# Altium PCB BeagleNode_revA.PcbDoc (part 1 of 2) (continued)
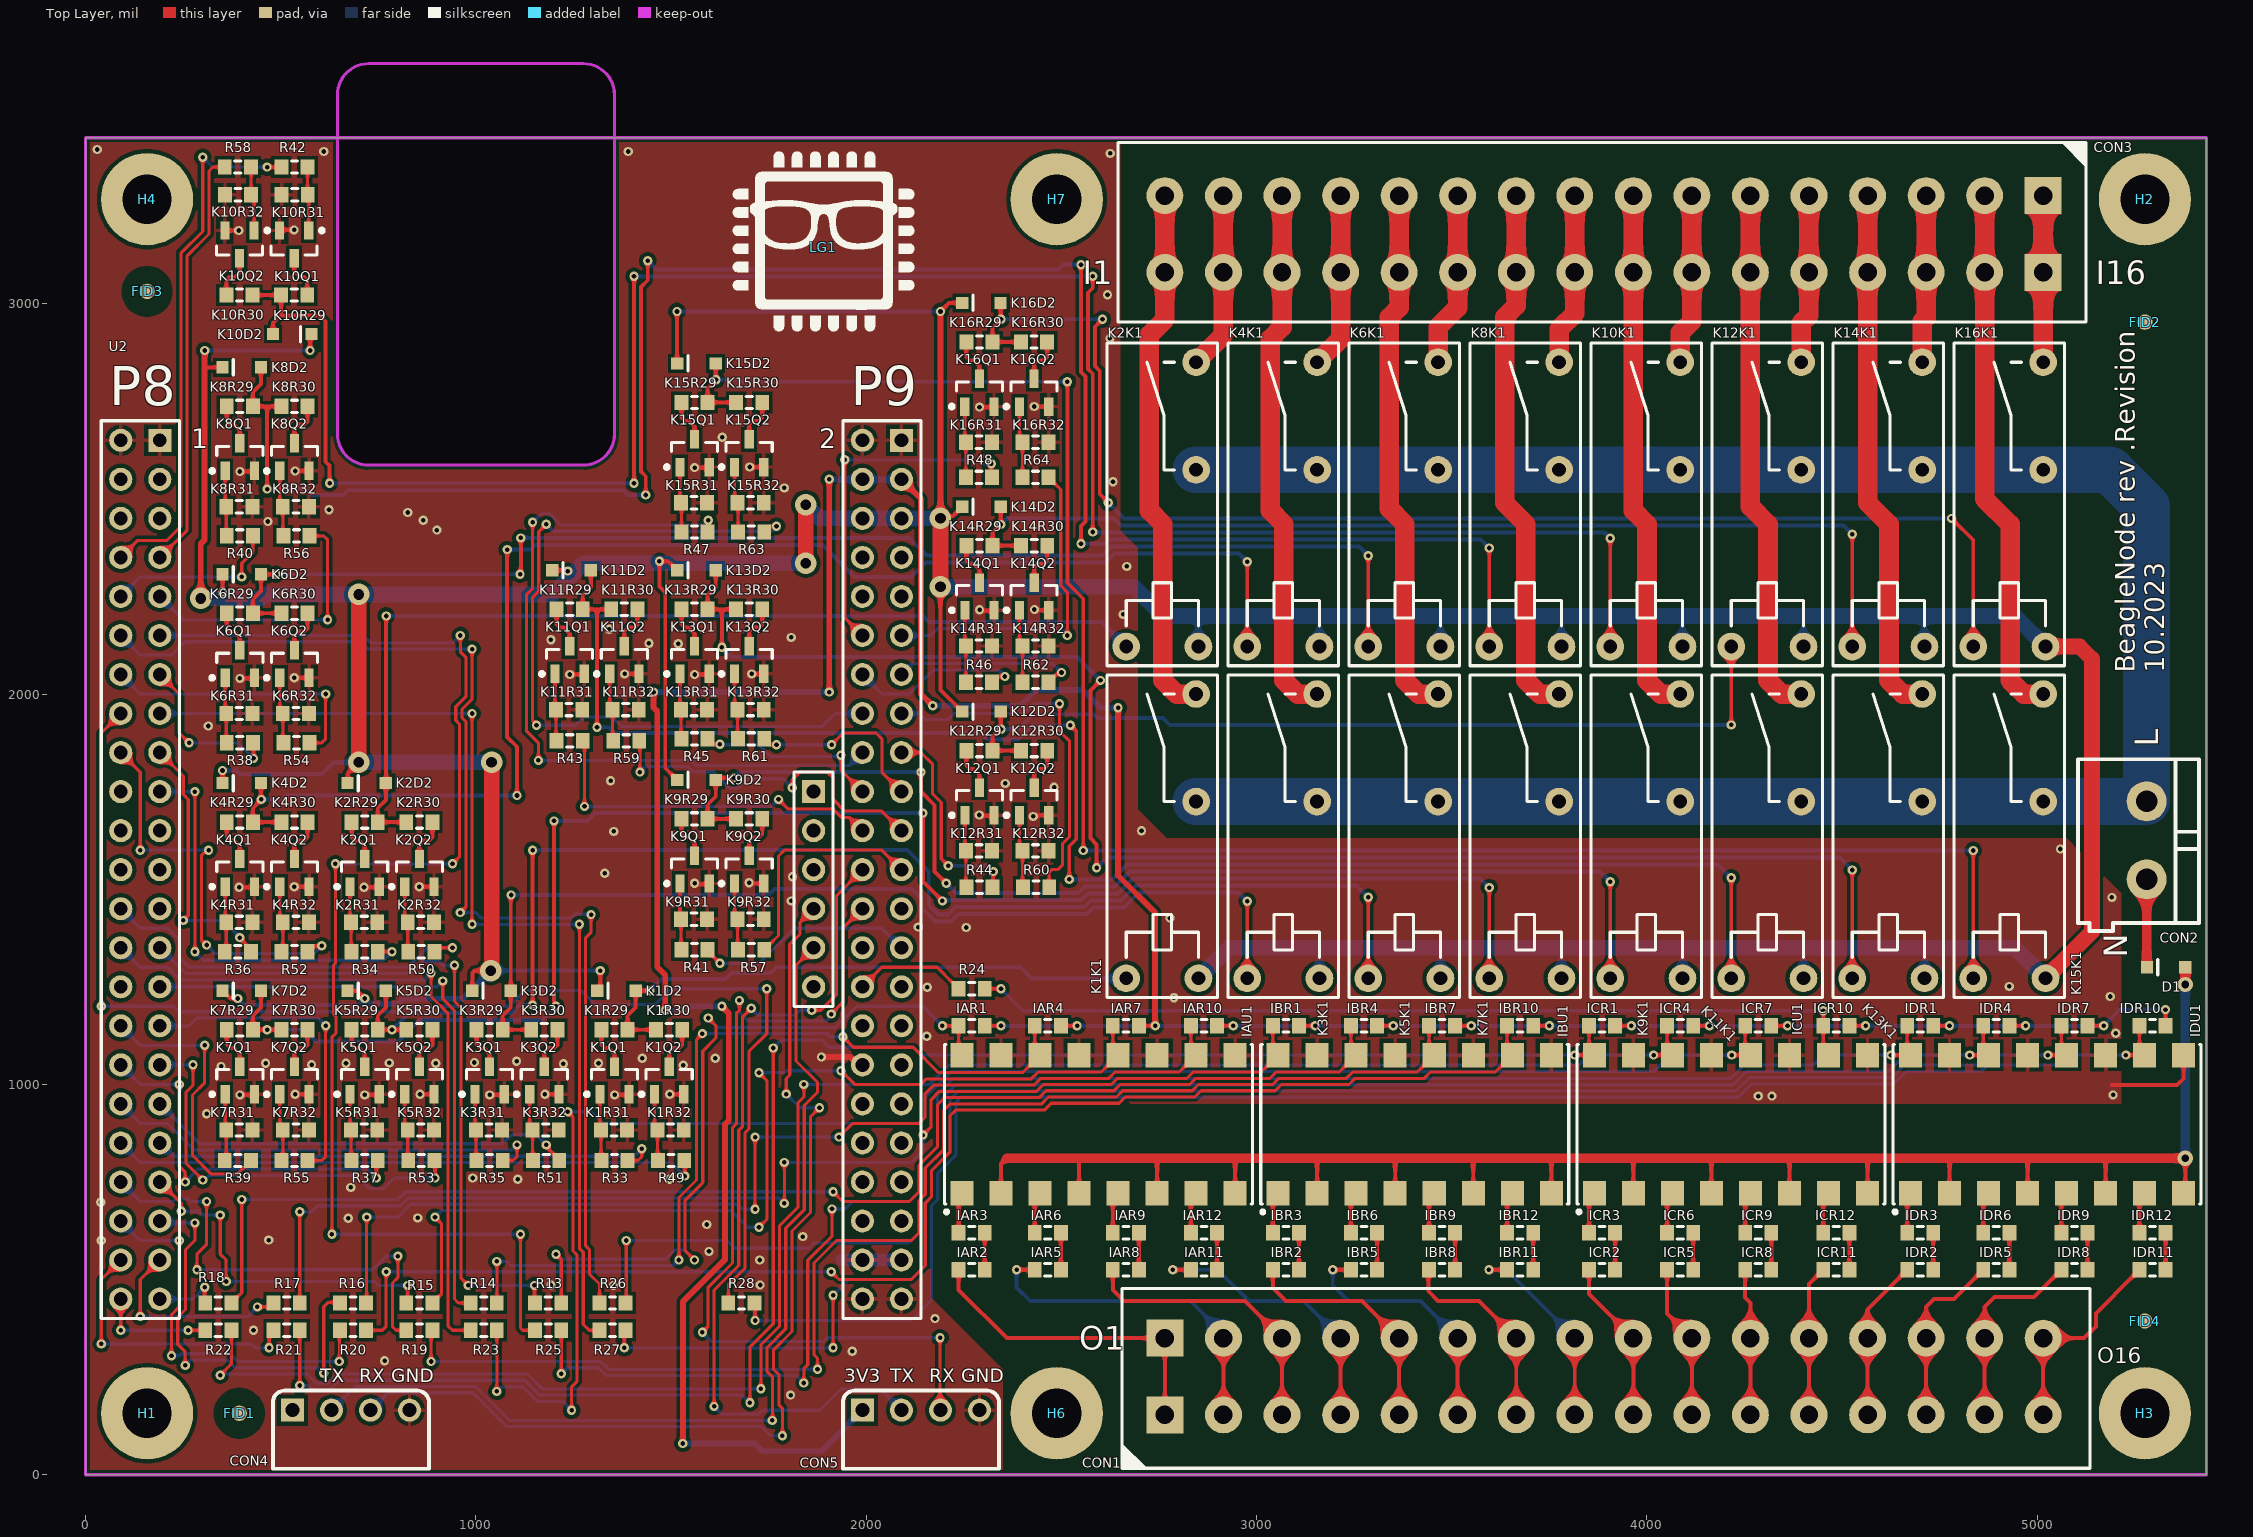
[diagram p0: Top Layer view]
## Components (designator, comment, footprint, x,y, rotation, side; value= is the part's Value field where it differs from the comment) (continued)
K4R32 "10k" RES0603 538.66,1415 r0 top (schematic designator R32)
K5D2 "FR05JFL" SOD323 720,1240 r0 top (schematic designator D2)
K5K1 "PCJ-105D3M.301" 1721081-2 3378.39,1635.83 r90 top locked (schematic designator K1)
K5Q1 "BSS123" sot23-3l 715,1010 r90 top (schematic designator Q1)
K5Q2 "BSS123" sot23-3l 855,1010 r90 top (schematic designator Q2)
K5R29 "33R" RES0603 715,1140 r180 top (schematic designator R29)
K5R30 "430R" RES0603 855,1140 r0 top (schematic designator R30)
K5R31 "10k" RES0603 713.66,883.08 r0 top (schematic designator R31)
K5R32 "10k" RES0603 858.66,883.08 r0 top (schematic designator R32)
K6D2 "FR05JFL" SOD323 400,2306.92 r0 top (schematic designator D2)
K6K1 "PCJ-105D3M.301" 1721081-2 3378.39,2485.83 r90 top locked (schematic designator K1)
K6Q1 "BSS123" sot23-3l 395,2076.92 r90 top (schematic designator Q1)
K6Q2 "BSS123" sot23-3l 535,2076.92 r90 top (schematic designator Q2)
K6R29 "33R" RES0603 395,2206.92 r180 top (schematic designator R29)
K6R30 "430R" RES0603 535,2206.92 r0 top (schematic designator R30)
K6R31 "10k" RES0603 393.66,1950 r0 top (schematic designator R31)
K6R32 "10k" RES0603 538.66,1950 r0 top (schematic designator R32)
K7D2 "FR05JFL" SOD323 400,1240 r0 top (schematic designator D2)
K7K1 "PCJ-105D3M.301" 1721081-2 3688.39,1635.83 r90 top locked (schematic designator K1)
K7Q1 "BSS123" sot23-3l 395,1010 r90 top (schematic designator Q1)
K7Q2 "BSS123" sot23-3l 535,1010 r90 top (schematic designator Q2)
K7R29 "33R" RES0603 395,1140 r180 top (schematic designator R29)
K7R30 "430R" RES0603 535,1140 r0 top (schematic designator R30)
K7R31 "10k" RES0603 393.66,883.08 r0 top (schematic designator R31)
K7R32 "10k" RES0603 538.66,883.08 r0 top (schematic designator R32)
K8D2 "FR05JFL" SOD323 400,2836.92 r0 top (schematic designator D2)
K8K1 "PCJ-105D3M.301" 1721081-2 3688.39,2485.83 r90 top locked (schematic designator K1)
K8Q1 "BSS123" sot23-3l 395,2606.92 r90 top (schematic designator Q1)
K8Q2 "BSS123" sot23-3l 535,2606.92 r90 top (schematic designator Q2)
K8R29 "33R" RES0603 395,2736.92 r180 top (schematic designator R29)
K8R30 "430R" RES0603 535,2736.92 r0 top (schematic designator R30)
K8R31 "10k" RES0603 393.66,2480 r0 top (schematic designator R31)
K8R32 "10k" RES0603 538.66,2480 r0 top (schematic designator R32)
K9D2 "FR05JFL" SOD323 1565,1780 r0 top (schematic designator D2)
K9K1 "PCJ-105D3M.301" 1721081-2 3998.39,1635.83 r90 top locked (schematic designator K1)
K9Q1 "BSS123" sot23-3l 1560,1550 r90 top (schematic designator Q1)
K9Q2 "BSS123" sot23-3l 1700,1550 r90 top (schematic designator Q2)
K9R29 "33R" RES0603 1560,1680 r180 top (schematic designator R29)
K9R30 "430R" RES0603 1700,1680 r0 top (schematic designator R30)
K9R31 "10k" RES0603 1558.66,1423.08 r0 top (schematic designator R31)
K9R32 "10k" RES0603 1703.66,1423.08 r0 top (schematic designator R32)
K10D2 "FR05JFL" SOD323 529.21,2922.1 r180 top (schematic designator D2)
K10K1 "PCJ-105D3M.301" 1721081-2 3998.39,2485.83 r90 top locked (schematic designator K1)
K10Q1 "BSS123" sot23-3l 534.21,3152.1 r270 top (schematic designator Q1)
K10Q2 "BSS123" sot23-3l 394.21,3152.1 r270 top (schematic designator Q2)
K10R29 "33R" RES0603 534.21,3022.1 r0 top (schematic designator R29)
K10R30 "430R" RES0603 394.21,3022.1 r180 top (schematic designator R30)
K10R31 "10k" RES0603 535.56,3279.02 r180 top (schematic designator R31)
K10R32 "10k" RES0603 390.56,3279.02 r180 top (schematic designator R32)
K11D2 "FR05JFL" SOD323 1245,2316.92 r0 top (schematic designator D2)
K11K1 "PCJ-105D3M.301" 1721081-2 4308.39,1635.83 r90 top locked (schematic designator K1)
K11Q1 "BSS123" sot23-3l 1240,2086.92 r90 top (schematic designator Q1)
K11Q2 "BSS123" sot23-3l 1380,2086.92 r90 top (schematic designator Q2)
K11R29 "33R" RES0603 1240,2216.92 r180 top (schematic designator R29)
K11R30 "430R" RES0603 1380,2216.92 r0 top (schematic designator R30)
K11R31 "10k" RES0603 1238.66,1960 r0 top (schematic designator R31)
K11R32 "10k" RES0603 1383.66,1960 r0 top (schematic designator R32)
K12D2 "FR05JFL" SOD323 2295,1955 r0 top (schematic designator D2)
K12K1 "PCJ-105D3M.301" 1721081-2 4308.39,2485.83 r90 top locked (schematic designator K1)
K12Q1 "BSS123" sot23-3l 2290,1725 r90 top (schematic designator Q1)
K12Q2 "BSS123" sot23-3l 2430,1725 r90 top (schematic designator Q2)
K12R29 "33R" RES0603 2290,1855 r180 top (schematic designator R29)
K12R30 "430R" RES0603 2430,1855 r0 top (schematic designator R30)
K12R31 "10k" RES0603 2288.66,1598.08 r0 top (schematic designator R31)
K12R32 "10k" RES0603 2433.66,1598.08 r0 top (schematic designator R32)
K13D2 "FR05JFL" SOD323 1565,2316.92 r0 top (schematic designator D2)
K13K1 "PCJ-105D3M.301" 1721081-2 4618.39,1635.83 r90 top locked (schematic designator K1)
K13Q1 "BSS123" sot23-3l 1560,2086.92 r90 top (schematic designator Q1)
K13Q2 "BSS123" sot23-3l 1700,2086.92 r90 top (schematic designator Q2)
K13R29 "33R" RES0603 1560,2216.92 r180 top (schematic designator R29)
K13R30 "430R" RES0603 1700,2216.92 r0 top (schematic designator R30)
K13R31 "10k" RES0603 1558.66,1960 r0 top (schematic designator R31)
K13R32 "10k" RES0603 1703.66,1960 r0 top (schematic designator R32)
K14D2 "FR05JFL" SOD323 2295,2480 r0 top (schematic designator D2)
K14K1 "PCJ-105D3M.301" 1721081-2 4618.39,2485.83 r90 top locked (schematic designator K1)
K14Q1 "BSS123" sot23-3l 2290,2250 r90 top (schematic designator Q1)
K14Q2 "BSS123" sot23-3l 2430,2250 r90 top (schematic designator Q2)
K14R29 "33R" RES0603 2290,2380 r180 top (schematic designator R29)
K14R30 "430R" RES0603 2430,2380 r0 top (schematic designator R30)
K14R31 "10k" RES0603 2288.66,2123.08 r0 top (schematic designator R31)
K14R32 "10k" RES0603 2433.66,2123.08 r0 top (schematic designator R32)
K15D2 "FR05JFL" SOD323 1565,2846.92 r0 top (schematic designator D2)
K15K1 "PCJ-105D3M.301" 1721081-2 4928.39,1635.83 r90 top locked (schematic designator K1)
K15Q1 "BSS123" sot23-3l 1560,2616.92 r90 top (schematic designator Q1)
K15Q2 "BSS123" sot23-3l 1700,2616.92 r90 top (schematic designator Q2)
K15R29 "33R" RES0603 1560,2746.92 r180 top (schematic designator R29)
K15R30 "430R" RES0603 1700,2746.92 r0 top (schematic designator R30)
K15R31 "10k" RES0603 1558.66,2490 r0 top (schematic designator R31)
K15R32 "10k" RES0603 1703.66,2490 r0 top (schematic designator R32)
K16D2 "FR05JFL" SOD323 2294.81,3001.92 r0 top (schematic designator D2)
K16K1 "PCJ-105D3M.301" 1721081-2 4928.39,2485.83 r90 top locked (schematic designator K1)
K16Q1 "BSS123" sot23-3l 2289.81,2771.92 r90 top (schematic designator Q1)
K16Q2 "BSS123" sot23-3l 2429.81,2771.92 r90 top (schematic designator Q2)
K16R29 "33R" RES0603 2289.81,2901.92 r180 top (schematic designator R29)
K16R30 "430R" RES0603 2429.81,2901.92 r0 top (schematic designator R30)
K16R31 "10k" RES0603 2288.46,2645 r0 top (schematic designator R31)
K16R32 "10k" RES0603 2433.46,2645 r0 top (schematic designator R32)
LG1 "LOGO" LOGO_ENS 1890,3145 r0 top
R13 "10k" RES0603 1185,440 r0 top
R14 "10k" RES0603 1020,440 r0 top
R15 "10k" RES0603 855,440 r0 top
R16 "10k" RES0603 685,440 r0 top
R17 "10k" RES0603 515,440 r0 top
R18 "10k" RES0603 340,440 r0 top
R19 "10k" RES0603 855,370 r0 top
R20 "10k" RES0603 685,370 r0 top
R21 "10k" RES0603 515,370 r0 top
R22 "10k" RES0603 340,370 r0 top
R23 "10k" RES0603 1020,370 r0 top
R24 "10k" RES0603 2270,1245 r0 top
R25 "10k" RES0603 1185,370 r0 top
R26 "10k" RES0603 1350,440 r0 top
R27 "10k" RES0603 1350,370 r0 top
R28 "10k" RES0603 1680,440 r0 top
R33 "33R" RES0603 1355,805 r180 top
R34 "33R" RES0603 715,1340 r180 top
R35 "33R" RES0603 1035,805 r180 top
R36 "33R" RES0603 390,1340 r180 top
R37 "33R" RES0603 715,805 r180 top
R38 "33R" RES0603 395,1875 r180 top
R39 "33R" RES0603 390,805 r180 top
R40 "33R" RES0603 395,2405 r180 top
R41 "33R" RES0603 1560,1345 r180 top
R42 "33R" RES0603 535,3350 r0 top
R43 "33R" RES0603 1240,1880 r180 top
R44 "33R" RES0603 2290,1505 r180 top
R45 "33R" RES0603 1560,1885 r180 top
R46 "33R" RES0603 2288.66,2030 r180 top
R47 "33R" RES0603 1560,2415 r180 top
R48 "33R" RES0603 2288.46,2555 r180 top
R49 "33R" RES0603 1500,805 r180 top
R50 "33R" RES0603 860,1340 r180 top
R51 "33R" RES0603 1180,805 r180 top
R52 "33R" RES0603 535,1340 r180 top
R53 "33R" RES0603 860,805 r180 top
R54 "33R" RES0603 540,1875 r180 top
R55 "33R" RES0603 535,805 r180 top
R56 "33R" RES0603 540,2405 r180 top
R57 "33R" RES0603 1705,1345 r180 top
R58 "33R" RES0603 390,3350 r0 top
R59 "33R" RES0603 1385,1880 r180 top
R60 "33R" RES0603 2435,1505 r180 top
R61 "33R" RES0603 1705,1885 r180 top
R62 "33R" RES0603 2433.66,2030 r180 top
R63 "33R" RES0603 1705,2415 r180 top
R64 "33R" RES0603 2433.46,2555 r180 top
U2 "102110420" "BeagleBone Black No Bat" 15,3425 r270 top locked

## Footprints (in the part's own frame and the unit in brackets; to place one, negate y for a bottom-side part, rotate by r counter-clockwise, add the part's x,y. Pads: shape width x height; smd on the part's side, far side on the other; paste and mask are expansions set on the pad)
1721081-2 [mm] "Miniature PCB Relay PCJ"
  round 1.8 hole 0.9: 11(2.25,-2.2) 14(9.25,-2.2) A1(-9.25,2.35) A2(-9.25,-2.35)
  silkscreen extent -10.5,-3.6 10.5,3.6, body extent -10.2,-3.5 10.2,3.5, height 15
"BeagleBone Black No Bat" [mm]
  rect 1.5x1.5 hole 0.9: 1(19.685,4.445) 47(19.685,52.705) 93(42.545,46.99)
  round 1.5 hole 0.9: 2(19.685,1.905) 3(22.225,4.445) 4(22.225,1.905) 5(24.765,4.445) 6(24.765,1.905) 7(27.305,4.445) 8(27.305,1.905) 9(29.845,4.445) 10(29.845,1.905) 11(32.385,4.445) 12(32.385,1.905) 13(34.925,4.445) 14(34.925,1.905) 15(37.465,4.445) 16(37.465,1.905) 17(40.005,4.445) 18(40.005,1.905) 19(42.545,4.445) 20(42.545,1.905) 21(45.085,4.445) 22(45.085,1.905) 23(47.625,4.445) 24(47.625,1.905) 25(50.165,4.445) 26(50.165,1.905) 27(52.705,4.445) 28(52.705,1.905) 29(55.245,4.445) 30(55.245,1.905) 31(57.785,4.445) 32(57.785,1.905) 33(60.325,4.445) 34(60.325,1.905) 35(62.865,4.445) 36(62.865,1.905) 37(65.405,4.445) 38(65.405,1.905) 39(67.945,4.445) 40(67.945,1.905) 41(70.485,4.445) 42(70.485,1.905) 43(73.025,4.445) 44(73.025,1.905) 45(75.565,4.445) 46(75.565,1.905) 48(19.685,50.165) 49(22.225,52.705) 50(22.225,50.165) 51(24.765,52.705) 52(24.765,50.165) 53(27.305,52.705) 54(27.305,50.165) 55(29.845,52.705) 56(29.845,50.165) 57(32.385,52.705) 58(32.385,50.165) 59(34.925,52.705) 60(34.925,50.165) 61(37.465,52.705) 62(37.465,50.165) 63(40.005,52.705) 64(40.005,50.165) 65(42.545,52.705) 66(42.545,50.165) 67(45.085,52.705) 68(45.085,50.165) 69(47.625,52.705) 70(47.625,50.165) 71(50.165,52.705) 72(50.165,50.165) 73(52.705,52.705) 74(52.705,50.165) 75(55.245,52.705) 76(55.245,50.165) 77(57.785,52.705) 78(57.785,50.165) 79(60.325,52.705) 80(60.325,50.165) 81(62.865,52.705) 82(62.865,50.165) 83(65.405,52.705) 84(65.405,50.165) 85(67.945,52.705) 86(67.945,50.165) 87(70.485,52.705) 88(70.485,50.165) 89(73.025,52.705) 90(73.025,50.165) 91(75.565,52.705) 92(75.565,50.165) 94(45.085,46.99) 95(47.625,46.99) 96(50.165,46.99) 97(52.705,46.99) 98(55.245,46.99)
  Keep-Out Layer board cut-out: -2.794,16.002 -3.572,16.157 -4.231,16.597 -4.671,17.256 -4.826,18.034 -4.826,18.034 -4.826,32.004 -4.671,32.782 -4.231,33.441 -3.572,33.881 -2.794,34.036 -2.794,34.036 19.272,34.036 20.05,33.881 20.709,33.441 21.149,32.782 21.304,32.004 21.304,32.004 21.304,18.034 21.149,17.256 20.709,16.597 20.05,16.157 19.272,16.002 19.272,16.002
  Keep-Out Layer lines w0.203: 19.272,16.002 ccw(c19.272,18.034) 21.304,18.034 21.304,32.004 ccw(c19.272,32.004) 19.272,34.036 -0.794,34.036 -2.794,34.036 ccw(c-2.794,32.004) -4.826,32.004 -4.826,18.034 ccw(c-2.794,18.034) -2.794,16.002 -0.794,16.002 19.272,16.002
  silkscreen extent 18.41,0.64 76.83,53.98, body extent -2.5,0 87.95,54.66, height 16.58
DG235-3.81-16P [mm] "PCB spring terminal blocks,Rated current:10A.Rated voltage (III/2):250V,pitch:3.81mm,Color:gray,Contact surface :Tin"
  rect 2.4x2.4 hole 1.2: 1(-28.575,-2.5) 1(-28.575,2.5)
  round 2.4 hole 1.2: 2(-24.765,-2.5) 2(-24.765,2.5) 3(-20.955,-2.5) 3(-20.955,2.5) 4(-17.145,-2.5) 4(-17.145,2.5) 5(-13.335,-2.5) 5(-13.335,2.5) 6(-9.525,-2.5) 6(-9.525,2.5) 7(-5.715,-2.5) 7(-5.715,2.5) 8(-1.905,-2.5) 8(-1.905,2.5) 9(1.905,-2.5) 9(1.905,2.5) 10(5.715,-2.5) 10(5.715,2.5) 11(9.525,-2.5) 11(9.525,2.5) 12(13.335,-2.5) 12(13.335,2.5) 13(17.145,-2.5) 13(17.145,2.5) 14(20.955,-2.5) 14(20.955,2.5) 15(24.765,-2.5) 15(24.765,2.5) 16(28.575,-2.5) 16(28.575,2.5)
  silkscreen extent -31.37,-5.97 31.62,5.71, body extent -31.2,-6.98 31.36,5.52, height 15.5
FID_ROUND [mm] "Round fidutial used for optical alignement"
  round 1 smd paste-2.54 mask+1: 0(0,0)
  Top Layer pour cut-out: -1.651,0 -1.525,0.632 -1.167,1.167 -0.632,1.525 0,1.651 0,1.651 0.632,1.525 1.167,1.167 1.525,0.632 1.651,0 1.651,0 1.525,-0.632 1.167,-1.167 0.632,-1.525 0,-1.651 0,-1.651 -0.632,-1.525 -1.167,-1.167 -1.525,-0.632 -1.651,0
GULLWING16 [mm] "16 pin DIP gull wing package"
  rect 1.5x1.6 smd: 1(-8.89,-4.5) 2(-6.35,-4.5) 3(-3.81,-4.5) 4(-1.27,-4.5) 5(1.27,-4.5) 6(3.81,-4.5) 7(6.35,-4.5) 8(8.89,-4.5) 9(8.89,4.5) 10(6.35,4.5) 11(3.81,4.5) 12(1.27,4.5) 13(-1.27,4.5) 14(-3.81,4.5) 15(-6.35,4.5) 16(-8.89,4.5)
  silkscreen extent -10.02,-5.8 10.02,5.2, body extent -10.15,-5 10.15,5, height 4.45
HMTA_1X4_2.54_3.60 [mm] "Pin header; pin strips; C-Grid III; male; PIN: 4; angled 90°; THT"
  rect 1.5x1.5 hole 0.9: 1(-3.81,0)
  round 1.5 hole 0.9: 2(-1.27,0) 3(1.27,0) 4(3.81,0)
  silkscreen extent -5.08,-3.81 5.08,1.27, body extent -5.08,-9.8 5.08,0.33, height 2.51
hole-3.2/6 [mm] "3.2mm dia hole with 6 mm dia ring"
  round 6 hole 3.2: 1(0,0)
LOGO_ENS [mil] "Logo Przenioslo Electronics & Software"
  silkscreen extent -232,-216 233,244
RES0603 [mm] "Chip Resistor, Body 1.6x0.8mm, IPC Medium Density (0603)"
  rect 0.9x1 smd: 1(-0.85,0) 2(0.85,0)
  silkscreen extent -0.2,-0.4 0.2,0.4, body extent -0.8,-0.4 0.8,0.4, height 0.3
SOD323 [mm] "SOD323"
  rect 0.8x0.8 smd: 1(-1.25,0) 2(1.25,0)
  silkscreen extent -0.55,-0.5 -0.55,0.5, body extent -1.3,-0.67 1.3,0.68, height 1.1
sot23-3l [mm] "SOT23, 3-Leads, Body 2.9x1.3mm, Pitch 0.95mm, Lead Span 2.5mm, IPC High Density"
  rect 1.2x0.6 smd: 1(-0.9,0.95) 2(-0.9,-0.95) 3(0.9,0)
  silkscreen extent -1.02,-1.5 0.7,1.92, body extent -1.25,-1.5 1.25,1.5, height 1.05
TERMINAL-BLOCK-2WAY-5.0 [mm] "PCB terminal block; angled 90°; 5mm; ways: 2; on PCBs; 1.5mm2; 15A"
  round 2.6 hole 1.4: 1(3.1,3.4) 2(8.18,3.4)
  silkscreen extent -0.25,0 10.92,7.87, body extent 0,0 10.6,7.6, height 10.1

## Part data
CON1 CON3: "PCB spring terminal blocks,Rated current:10A.Rated voltage （III/2）:250V,pitch:3.81mm,Color:gray,Contact surface :Tin", Manufacturer="DEGSON ELECTRONICS", Nominal Current=5A, Identifier=DG235-3.81-16P
CON2: library part "Terminal Block 2", "Screwed terminal block with 2 pins", Manufacturer="DEGSON ELECTRONICS", Identifier=DG306-5.0-02P-12-00A(H)
CON4 CON5: library part HMTA_1X4_2.54_3.60, "Pin header; pin strips; C-Grid III; male; PIN: 4; angled 90°; THT", Manufacturer=CONNFLY, Nominal Current=1A, Identifier=DS1022-1*4RDF14
D1 K1D2 K2D2 K3D2 K4D2 K5D2 K6D2 K7D2 K8D2 K9D2 K10D2 K11D2 K12D2 K13D2 K14D2 K15D2 K16D2: library part FR05xFL, "FAST RECOVERY SURFACE MOUNT GLASS PASSIVATED RECTIFIER", Manufacturer="DC Components", I_F=0.5A, Identifier=FR05JFL, V_F=1.3V, V_R=600V
FID1 FID2 FID3 FID4: library part FID, "Optical alignement fidutial PCB element (not visible in bom)", Identifier="Generic fidutial"
H1 H2 H3 H4 H6 H7: library part hole_metalized, "Generic hole component with 1 electrical connection", size=3.2/6mm
IAR1 IAR4 IAR7 IAR10 IBR1 IBR4 IBR7 IBR10 ICR1 ICR4 ICR7 ICR10 IDR1 IDR4 IDR7 IDR10 K1R31 K1R32 K2R31 K2R32 K3R31 K3R32 K4R31 K4R32 K5R31 K5R32 K6R31 K6R32 K7R31 K7R32 K8R31 K8R32 K9R31 K9R32 K10R31 K10R32 K11R31 K11R32 K12R31 K12R32 K13R31 K13R32 K14R31 K14R32 K15R31 K15R32 K16R31 K16R32 R13 R14 R15 R16 R17 R18 R19 R20 R21 R22 R23 R24 R25 R26 R27 R28: library part Resistor, "Generic resistor symbol", Power=63mW, Tolerance=1%
IAR2 IAR3 IAR5 IAR6 IAR8 IAR9 IAR11 IAR12 IBR2 IBR3 IBR5 IBR6 IBR8 IBR9 IBR11 IBR12 ICR2 ICR3 ICR5 ICR6 ICR8 ICR9 ICR11 ICR12 IDR2 IDR3 IDR5 IDR6 IDR8 IDR9 IDR11 IDR12: library part Resistor, "Generic resistor symbol", Power=0W1, Tolerance=5%
IAU1 IBU1 ICU1 IDU1: library part Transoptor_16pin, "Quad transoptor in 16 pin package", Manufacturer=Liteon, Identifier=LTV-847S
K1K1 K2K1 K3K1 K4K1 K5K1 K6K1 K7K1 K8K1 K9K1 K10K1 K11K1 K12K1 K13K1 K14K1 K15K1 K16K1: library part PCJ-1xxD3M.301, "Miniature PCB Relay PCJ", Manufacturer="TE Connectivity", Identifier=PCJ-105D3M.301
K1Q1 K1Q2 K2Q1 K2Q2 K3Q1 K3Q2 K4Q1 K4Q2 K5Q1 K5Q2 K6Q1 K6Q2 K7Q1 K7Q2 K8Q1 K8Q2 K9Q1 K9Q2 K10Q1 K10Q2 K11Q1 K11Q2 K12Q1 K12Q2 K13Q1 K13Q2 K14Q1 K14Q2 K15Q1 K15Q2 K16Q1 K16Q2: "N-Channel Logic Level Enhancement Mode Field Effect Transistor", I_D=170mA, Identifier=BSS123, V_DSS=100V, V_GS_tres=2V, V_GSS=+-20V
K1R29 K1R30 K2R29 K2R30 K3R29 K3R30 K4R29 K4R30 K5R29 K5R30 K6R29 K6R30 K7R29 K7R30 K8R29 K8R30 K9R29 K9R30 K10R29 K10R30 K11R29 K11R30 K12R29 K12R30 K13R29 K13R30 K14R29 K14R30 K15R29 K15R30 K16R29 K16R30 R33 R34 R35 R36 R37 R38 R39 R40 R41 R42 R43 R44 R45 R46 R47 R48 R49 R50 R51 R52 R53 R54 R55 R56 R57 R58 R59 R60 R61 R62 R63 R64: library part Resistor, "Generic resistor symbol", Power=63mW, Tolerance=5%
LG1: "Logo graphical object"
U2: library part "Beaglebone Black No Bat", "BeagleBone Black female headers without the battery 4 pin header", Manufacturer=BeagleBoard, Identifier=102110420

## Via types
v1: diameter 23.62, hole 11.81, Top Layer to Bottom Layer, tented both sides, 362 vias
v2: diameter 55.12, hole 27.56, Top Layer to Bottom Layer, tented both sides, 9 vias
v3: diameter 39.37, hole 19.68, Top Layer to Bottom Layer, tented both sides, 2 vias

## Nets (pads, with @x,y where several pads share a name; then routed paths per layer and width w, separated by ;. In a path a pad name is that pad's centre, name@x,y a point inside that pad or via, vN(x,y) a via of type N, cw(c..) or ccw(c..) an arc to the next point about the centre after c; other vN are vias at no path point)
3V3: CON5.1 IAR1.2 IAR4.2 IAR7.2 IAR10.2 IBR1.2 IBR4.2 IBR7.2 IBR10.2 ICR1.2 ICR4.2 ICR7.2 ICR10.2 IDR1.2 IDR4.2 IDR7.2 IDR10.2 U2.49 U2.50 | length 9487.5
  Top Layer w8: IAR1.2@2303.46,1150 v1(2345,1150) ; IAR4.2@2498.46,1150 v1(2540,1150) ; IAR7.2@2698.46,1150 v1(2740,1150) ; IAR10.2@2898.46,1150 v1(2940,1150) ; IBR1.2@3108.46,1150 v1(3150,1150) ; IBR4.2@3308.46,1150 v1(3350,1150) ; IBR7.2@3508.46,1150 v1(3550,1150) ; IBR10.2@3708.46,1150 v1(3750,1150) ; ICR1.2@3918.46,1150 v1(3960,1150) ; ICR4.2@4118.46,1150 v1(4160,1150) ; ICR7.2@4318.46,1150 v1(4360,1150) ; ICR10.2@4518.46,1150 v1(4560,1150) ; IDR1.2@4733.46,1150 v1(4775,1150) ; IDR4.2@4928.46,1150 v1(4970,1150) ; IDR7.2@5128.46,1150 v1(5170,1150) ; IDR10.2@5328.46,1150 v1(5328.46,1191.54)
  Top Layer w15: v1(1455,2005) 1455,1965 1464.5,1955.5 1464.5,1300.5 1485,1280 v1(1485,1190) ; v1(1530,80) 1530,442.83 1637.69,550.52 1637.69,897.02 1647.69,907.02 1647.69,1182.31 v1(1630,1200) ; v1(1905,2005) v1(1905,2550) ; U2.49@2090,2550 2140,2500 2140,2000 v1(2170,1970) ; v1(2645,1965) 2645,1535 2740,1440 v1(2740,1150)
  Bottom Layer w10: v1(2345,1150) v1(2540,1150) v1(2740,1150) v1(2940,1150) v1(3150,1150) v1(3350,1150) v1(3550,1150) v1(3750,1150) v1(3960,1150) v1(4160,1150) v1(4360,1150) v1(4560,1150) v1(4775,1150) v1(4970,1150) v1(5170,1150) 5211.54,1191.54 v1(5328.46,1191.54)
  Bottom Layer w15: v1(1455,2005) v1(1905,2005) ; v1(1485,1190) 1540,1190 1550,1200 v1(1630,1200) ; v1(1530,80) 1715,80 1735,60 1884.65,60 CON5.1@1990,165.35 ; v1(1905,2550) U2.50@1990,2550 U2.49@2090,2550 ; v1(2170,1970) 2395,1970 2435,2010 2555,2010 2600,1965 v1(2645,1965)
5V: K1D2.1 K1K1.A2 K2D2.1 K2K1.A2 K3D2.1 K3K1.A2 K4D2.1 K4K1.A2 K5D2.1 K5K1.A2 K6D2.1 K6K1.A2 K7D2.1 K7K1.A2 K8D2.1 K8K1.A2 K9D2.1 K9K1.A2 K10D2.1 K10K1.A2 K11D2.1 K11K1.A2 K12D2.1 K12K1.A2 K13D2.1 K13K1.A2 K14D2.1 K14K1.A2 K15D2.1 K15K1.A2 K16D2.1 K16K1.A2 U2.51 U2.52 | length 15968.5
  Top Layer w10: 305,2835 306.92,2836.92 K8D2.1@350.79,2836.92 ; v1@350,1805 v1(350.79,1804.21) K4D2.1@350.79,1771.92 ; v1@350,2260 v1(350.79,2260.79) K6D2.1@350.79,2306.92 ; K7D2.1@350.79,1240 370.79,1220 v1(390,1220) ; v1(575,2880) 575,2918.68 K10D2.1@578.43,2922.1 ; K5D2.1@670.79,1240 695,1240 v1(715,1220) ; K2D2.1@670.79,1771.92 671.81,1772.94 671.81,1796.81 v2(700,1825) ; K3D2.1@990.79,1240 990.79,1285.51 996.65,1291.36 v2(1037.97,1291.36) ; K11D2.1@1195.79,2316.92 1233.08,2316.92 v1(1235,2315) ; K1D2.1@1310.79,1240 1318.64,1247.85 v1(1318.64,1291.36) ; v1(1515,2980) 1515,2847.71 K15D2.1@1515.79,2846.92 ; K9D2.1@1515.79,1780 1485,1810.79 1485,2260 1470,2275 v1(1470,2340) 1492.71,2340 K13D2.1@1515.79,2316.92 ; v2(2190,2275) 2190,2010.79 K12D2.1@2245.79,1955 ; v2(2190,2450) 2195.99,2455.99 2221.77,2455.99 K14D2.1@2245.79,2480 ; v1(2190,2980) 2211.92,3001.92 K16D2.1@2245.6,3001.92
  Top Layer w15: v2(295,2245) 295,2385 305,2395 305,2835 v1(305,2880) ; v2(2190,2450) v1(2190,2980)
  Top Layer w40: v2(700,1825) v2(700,2255) ; v2@1040,1291.36 v2(1040,1825) ; v2(1845,2335) v2(1845,2485) ; v2(2190,2275) v2(2190,2450) ; K15K1.A2@5020.91,1271.65 5140,1390.75 5140,2090 5108.35,2121.65 K16K1.A2@5020.91,2121.65
  Bottom Layer w10: v1(305,2880) v1(575,2880) ; v1(350.79,1804.21) 385.79,1804.21 395,1795 605,1795 635,1825 v2(700,1825) ; v1(390,1220) 407,1203 698,1203 v1(715,1220) ; v2(1037.97,1291.36) v1(1318.64,1291.36) v1@1320,1290 ; v1(1515,2980) v1(2190,2980) ; 2850,2200 2850,2122.56 K2K1.A2@2850.91,2121.65 ; 3160,2200 3160.91,2199.09 K4K1.A2@3160.91,2121.65 ; K3K1.A2@3160.91,1271.65 3160.91,1345.91 3165,1350 ; 3470,1350 3470.91,1349.09 K5K1.A2@3470.91,1271.65 ; 3470,2200 3470.91,2199.09 K6K1.A2@3470.91,2121.65 ; K7K1.A2@3780.91,1271.65 3780.91,1345.91 3785,1350 ; K8K1.A2@3780.91,2121.65 3780.91,2195.91 3785,2200 ; 4090,1350 4090.91,1349.09 K9K1.A2@4090.91,1271.65 ; 4090,2200 4090.91,2199.09 K10K1.A2@4090.91,2121.65 ; 4400,1350 4400.91,1349.09 K11K1.A2@4400.91,1271.65 ; K12K1.A2@4400.91,2121.65 4400.91,2195.91 4405,2200 ; 4710,1350 4710.91,1349.09 K13K1.A2@4710.91,1271.65 ; 4710,2200 4710,2122.56 K14K1.A2@4710.91,2121.65
  Bottom Layer w15: v1(715,1220) 729.5,1205.5 798.88,1205.5 812.88,1219.5 966.11,1219.5 v2(1037.97,1291.36)
  Bottom Layer w40: v2(295,2245) 450,2245 460,2255 v2(700,2255) 1195,2255 1275,2335 v2(1845,2335) ; v2(700,1825) v2(1040,1825) ; v2(1845,2485) 1880,2450 U2.52@1990,2450 U2.51@2090,2450 v2(2190,2450) ; v2(2190,2275) 2685,2275 2760,2200 2850,2200 3160,2200 3470,2200 3785,2200 4090,2200 4405,2200 4710,2200 4942.56,2200 K16K1.A2@5020.91,2121.65 ; K1K1.A2@2850.91,1271.65 2929.25,1350 3165,1350 3470,1350 3785,1350 4090,1350 4400,1350 4710,1350 4942.56,1350 K15K1.A2@5020.91,1271.65
GND: CON4.4 CON5.4 IAU1.9 IAU1.11 IAU1.13 IAU1.15 IBU1.9 IBU1.11 IBU1.13 IBU1.15 ICU1.9 ICU1.11 ICU1.13 ICU1.15 IDU1.9 IDU1.11 IDU1.13 IDU1.15 K1Q1.2 K1Q2.2 K1R31.2 K1R32.2 K2Q1.2 K2Q2.2 K2R31.2 K2R32.2 K3Q1.2 K3Q2.2 K3R31.2 K3R32.2 K4Q1.2 K4Q2.2 K4R31.2 K4R32.2 K5Q1.2 K5Q2.2 K5R31.2 K5R32.2 K6Q1.2 K6Q2.2 K6R31.2 K6R32.2 K7Q1.2 K7Q2.2 K7R31.2 K7R32.2 K8Q1.2 K8Q2.2 K8R31.2 K8R32.2 K9Q1.2 K9Q2.2 K9R31.2 K9R32.2 K10Q1.2 K10Q2.2 K10R31.2 K10R32.2 K11Q1.2 K11Q2.2 K11R31.2 K11R32.2 K12Q1.2 K12Q2.2 K12R31.2 K12R32.2 K13Q1.2 K13Q2.2 K13R31.2 K13R32.2 K14Q1.2 K14Q2.2 K14R31.2 K14R32.2 K15Q1.2 K15Q2.2 K15R31.2 K15R32.2 K16Q1.2 K16Q2.2 K16R31.2 K16R32.2 U2.1 U2.2 U2.47 U2.48 U2.80 U2.89 U2.90 U2.91 U2.92 | length 1638
  Top Layer w10: K10Q2.2@356.81,3187.53 v1@387.53,3187.53 ; v1@400.19,973.08 430.91,973.08 K7Q1.2@432.4,974.57 ; v1@400.19,1505 430.91,1505 K4Q1.2@432.4,1506.49 ; v1@400.19,2040 430.91,2040 K6Q1.2@432.4,2041.49 ; v1@400.19,2570 430.91,2570 K8Q1.2@432.4,2571.49 ; K10Q1.2@496.81,3187.53 498.3,3189.02 v1@529.02,3189.02 ; v1@541.68,974.57 K7Q2.2@572.4,974.57 ; v1@541.68,1506.49 K4Q2.2@572.4,1506.49 ; v1@541.68,2041.49 K6Q2.2@572.4,2041.49 ; v1@541.68,2571.49 K8Q2.2@572.4,2571.49 ; v1@720.19,973.08 750.91,973.08 K5Q1.2@752.4,974.57 ; v1@720.19,1505 750.91,1505 K2Q1.2@752.4,1506.49 ; v1@861.68,974.57 K5Q2.2@892.4,974.57 ; v1@861.68,1506.49 K2Q2.2@892.4,1506.49 ; v1@1040.19,973.08 1070.91,973.08 K3Q1.2@1072.4,974.57 ; v1@1181.68,974.57 K3Q2.2@1212.4,974.57 ; v1@1245.19,2050 1275.91,2050 K11Q1.2@1277.4,2051.49 ; v1@1360.19,973.08 1390.91,973.08 K1Q1.2@1392.4,974.57 ; v1@1386.68,2051.49 K11Q2.2@1417.4,2051.49 ; v1@1501.68,974.57 K1Q2.2@1532.4,974.57 ; v1@1565.19,1513.08 1595.91,1513.08 K9Q1.2@1597.4,1514.57 ; v1@1565.19,2050 1595.91,2050 K13Q1.2@1597.4,2051.49 ; v1@1565.19,2580 1595.91,2580 K15Q1.2@1597.4,2581.49 ; v1@1706.68,1514.57 K9Q2.2@1737.4,1514.57 ; v1(1706.68,2051.49) K13Q2.2@1737.4,2051.49 ; v1@1706.68,2581.49 K15Q2.2@1737.4,2581.49 ; v1@2295,2735 2325.72,2735 K16Q1.2@2327.21,2736.49 ; v1@2295.19,1688.08 2325.91,1688.08 K12Q1.2@2327.4,1689.57 ; v1@2295.19,2213.08 2325.91,2213.08 K14Q1.2@2327.4,2214.57 ; v1@2436.49,2736.49 K16Q2.2@2467.21,2736.49 ; v1@2436.68,1689.57 K12Q2.2@2467.4,1689.57 ; v1@2436.68,2214.57 K14Q2.2@2467.4,2214.57 ; 5191,998 5358,998 5375,1015 IDU1.9@5375,1075
  Top Layer w15: v1(1885,1070) 1959.19,1070 1979.19,1050 U2.80@1990,1050
  Bottom Layer w15: v1(1885,1070) 1959.19,1070 U2.80@1979.19,1050
  Bottom Layer w30: 1936,551 1937,550 U2.90@1990,550 U2.89@2090,550
  other v1: 1806,204 766,292 1963.73,316.13 430,370 2176,400 1352,485 1192,486 1728,486 1727,550 1597,572 40,600 469,601 1837,610 1591,641 673,657 851,658 39,698 679,736 1107,757 1496,757 992,760 310,925 4285,970 4320,970 395.19,973.08 715.19,973.08 1035.19,973.08 1355.19,973.08 5194,973 536.68,974.57 856.68,974.57 1176.68,974.57 1496.68,974.57 347,1046 1531,1049 579,1050 1224,1053 461,1054 667,1054 897,1054 1314,1054 778,1055 996,1056 1104,1059 1426,1067 1613,1067 2155,1123 5201,1131 2788,1222 5187,1225 2156,1249 4928,1251 2256,1402 2133,1403 2778,1426 1808,1470 5191,1479 393.19,1505 713.19,1505 534.68,1506.49 854.68,1506.49 1560.19,1515.08 1699.68,1516.57 1811,1532 1330,1541 5059,1603 1353,1648 2705,1650 2427.68,1686.57 2289.19,1690.08 2481,1761 2356,1771 1345,1778 314,1918 395.19,2040 534.68,2041.49 1240.19,2050 1560.19,2050 1380.68,2051.49 1518,2129 1443,2130 1192,2139 1808,2145 1341,2166 2658,2204 2290.19,2216.08 2430.68,2216.57 2667,2327 900,2420 467,2442 865,2445 825,2465 623.62,2472.03 1790,2528 2632,2544 395.19,2570 536.68,2571.49 1560.19,2580 1701.68,2581.49 1631,2658 2290,2735 2430.49,2736.49 2624,2911 2618,3023 392.53,3187.53 534.02,3189.02 2625,3385 610,3390 1390,3390 30,3395
HOLD1: K1Q2.1 K1R32.1 R49.2 | length 173.3
  Top Layer w8: K1Q2.1@1457.6,974.57 1457.6,890.67 K1R32.1@1465.19,883.08 1465.19,806.34 R49.2@1466.54,805
HOLD2: K2Q2.1 K2R32.1 R50.2 | length 170.2
  Top Layer w8: K2Q2.1@817.6,1506.49 817.6,1422.59 K2R32.1@825.19,1415 825.19,1341.34 R50.2@826.54,1340
HOLD3: K3Q2.1 K3R32.1 R51.2 | length 173.3
  Top Layer w8: K3Q2.1@1137.6,974.57 1137.6,890.67 K3R32.1@1145.19,883.08 1145.19,806.34 R51.2@1146.54,805
HOLD4: K4Q2.1 K4R32.1 R52.2 | length 171.1
  Top Layer w8: K4Q2.1@497.6,1506.49 497.6,1422.59 K4R32.1@505.19,1415 505.19,1343.66 R52.2@501.54,1340
HOLD5: K5Q2.1 K5R32.1 R53.2 | length 173.3
  Top Layer w8: K5Q2.1@817.6,974.57 817.6,890.67 K5R32.1@825.19,883.08 825.19,806.34 R53.2@826.54,805
HOLD6: K6Q2.1 K6R32.1 R54.2 | length 170.2
  Top Layer w8: K6Q2.1@497.6,2041.49 497.6,1957.59 K6R32.1@505.19,1950 505.19,1876.34 R54.2@506.54,1875
HOLD7: K7Q2.1 K7R32.1 R55.2 | length 174.2
  Top Layer w8: K7Q2.1@497.6,974.57 497.6,890.67 K7R32.1@505.19,883.08 505.19,808.66 R55.2@501.54,805
HOLD8: K8Q2.1 K8R32.1 R56.2 | length 170.2
  Top Layer w8: K8Q2.1@497.6,2571.49 497.6,2487.59 K8R32.1@505.19,2480 505.19,2406.34 R56.2@506.54,2405
HOLD9: K9Q2.1 K9R32.1 R57.2 | length 173.3
  Top Layer w8: K9Q2.1@1662.6,1514.57 1662.6,1430.67 K9R32.1@1670.19,1423.08 1670.19,1346.34 R57.2@1671.54,1345
HOLD10: K10Q2.1 K10R32.1 R58.2 | length 165.8
  Top Layer w8: R58.2@423.46,3350 424.02,3349.44 K10R32.1@424.02,3279.02 431.61,3271.43 K10Q2.1@431.61,3187.53
HOLD11: K11Q2.1 K11R32.1 R59.2 | length 175.2
  Top Layer w8: K11Q2.1@1342.6,2051.49 1342.6,1967.59 K11R32.1@1350.19,1960 1350.19,1881.34 R59.2@1351.54,1880
HOLD12: K12Q2.1 K12R32.1 R60.2 | length 188.3
  Top Layer w8: K12Q2.1@2392.6,1689.57 2392.6,1605.67 K12R32.1@2400.19,1598.08 2400.19,1506.34 R60.2@2401.54,1505
HOLD13: K13Q2.1 K13R32.1 R61.2 | length 170.2
  Top Layer w8: K13Q2.1@1662.6,2051.49 1662.6,1967.59 K13R32.1@1670.19,1960 1670.19,1886.34 R61.2@1671.54,1885
HOLD14: K14Q2.1 K14R32.1 R62.2 | length 187.7
  Top Layer w8: K14Q2.1@2392.6,2214.57 2392.6,2130.67 K14R32.1@2400.19,2123.08 R62.2@2400.19,2030
HOLD15: K15Q2.1 K15R32.1 R63.2 | length 170.2
  Top Layer w8: K15Q2.1@1662.6,2581.49 1662.6,2497.59 K15R32.1@1670.19,2490 1671.54,2488.66 R63.2@1671.54,2415
HOLD16: K16Q2.1 K16R32.1 R64.2 | length 184.6
  Top Layer w8: K16Q2.1@2392.41,2736.49 2392.41,2652.59 K16R32.1@2400,2645 R64.2@2400,2555
IN1: R13.1 U2.27 | length 1849.5
  Top Layer w8: v1(945,1305) 945,1213.08 962,1196.08 962,503 v1(980,485) ; v1(1150,485) 1150,441.54 R13.1@1151.54,440
  Bottom Layer w8: U2.27@190,1350 256,1284 834,1284 865,1315 905,1315 915,1305 v1(945,1305) ; v1(980,485) v1(1150,485)
IN2: R14.1 U2.29 | length 1604.3
  Top Layer w8: v1(915,1265) 915,1219.04 945,1189.04 945,450 955,440 R14.1@986.54,440
  Bottom Layer w8: U2.29@190,1250 900,1250 v1(915,1265)
IN3: R15.1 U2.39 | length 892.8
  Top Layer w8: U2.39@190,750 245,695 v1(245,675) ; v1(345,665) 345,565 360,550 v1(360,495) ; R15.1@820,441.54 825,446.54 v1(825,485)
  Bottom Layer w8: v1(245,675) 290,675 300,665 v1(345,665) ; v1(360,495) 740,495 750,485 v1(825,485)
IN4: R16.1 U2.41 | length 1080
  Top Layer w8: v1(255,280) 255,315 236,334 236,403.37 256,423.37 256,576 280,600 v1(280,645) v1@280,650 ; v1(610,260) 610,430 621.51,441.51 R16.1@649.97,441.51 ; R16.1@650,441.54 R16.1@651.54,440
  Bottom Layer w8: U2.41@190,650 195,645 v1(280,645) ; v1(255,280) 269,294 363.37,294 383.37,274 596,274 v1(610,260)
IN5: R17.1 U2.43 | length 521.7
  Top Layer w8: v1(140,405) 140,500 U2.43@190,550 ; v1(440,430) 471.54,430 R17.1@481.54,440
  Bottom Layer w8: v1(140,405) 415,405 v1(440,430)
IN6: R18.1 U2.45 | length 168.1
  Top Layer w8: v1(305,480) 305,441.54 R18.1@306.54,440
  Bottom Layer w8: U2.45@190,450 275,450 v1(305,480)
IN7: R19.1 U2.40 | length 1186.6
  Top Layer w8: v1(285,525) 285,565 310,590 v1(310,700) ; v1(800,560) 800,505 786,491 786,379 795,370 R19.1@821.54,370
  Bottom Layer w8: U2.40@90,750 140,700 223,700 229,706 263,706 269,700 v1(310,700) ; v1(285,525) 735,525 770,560 v1(800,560)
IN8: R20.1 U2.42 | length 995
  Top Layer w8: v1(220,305) 220,410 240,430 v1(240,600) ; v1(650,290) 650,368.46 R20.1@651.54,370
  Bottom Layer w8: U2.42@90,650 140,600 v1(240,600) ; v1(220,305) 240,305 245,310 370,310 390,290 v1(650,290)
IN9: R21.1 U2.44 | length 719.6
  Top Layer w8: v1(40,335) 40,500 U2.44@90,550 ; v1(470,325) 470,358.46 R21.1@481.54,370
  Bottom Layer w8: v1(40,335) 425,335 435,325 v1(470,325)
IN10: R22.1 U2.46 | length 296.6
  Top Layer w8: U2.46@90,450 90,370.22 v1(90.11,370.11) ; v1(262.46,370.11) 306.43,370.11 R22.1@306.54,370
  Bottom Layer w8: v1@90,370 v1(90.11,370.11) v1(262.46,370.11)
IN11: R23.1 U2.28 | length 1821.2
  Top Layer w8: v1(885,1285) 885,1225 928,1182 928,382 940,370 R23.1@986.54,370
  Bottom Layer w8: U2.28@90,1350 140,1300 210,1300 243,1267 867,1267 v1(885,1285)
IN12: R24.1 U2.76 | length 291.2
  Top Layer w8: U2.76@1990,1250 2040,1300 2181.54,1300 2220.85,1260.69 2222.82,1260.69 2236.54,1246.97 R24.1@2236.54,1245